# Allegro board C112P01-T2-ZDS-A03.brd (continued)
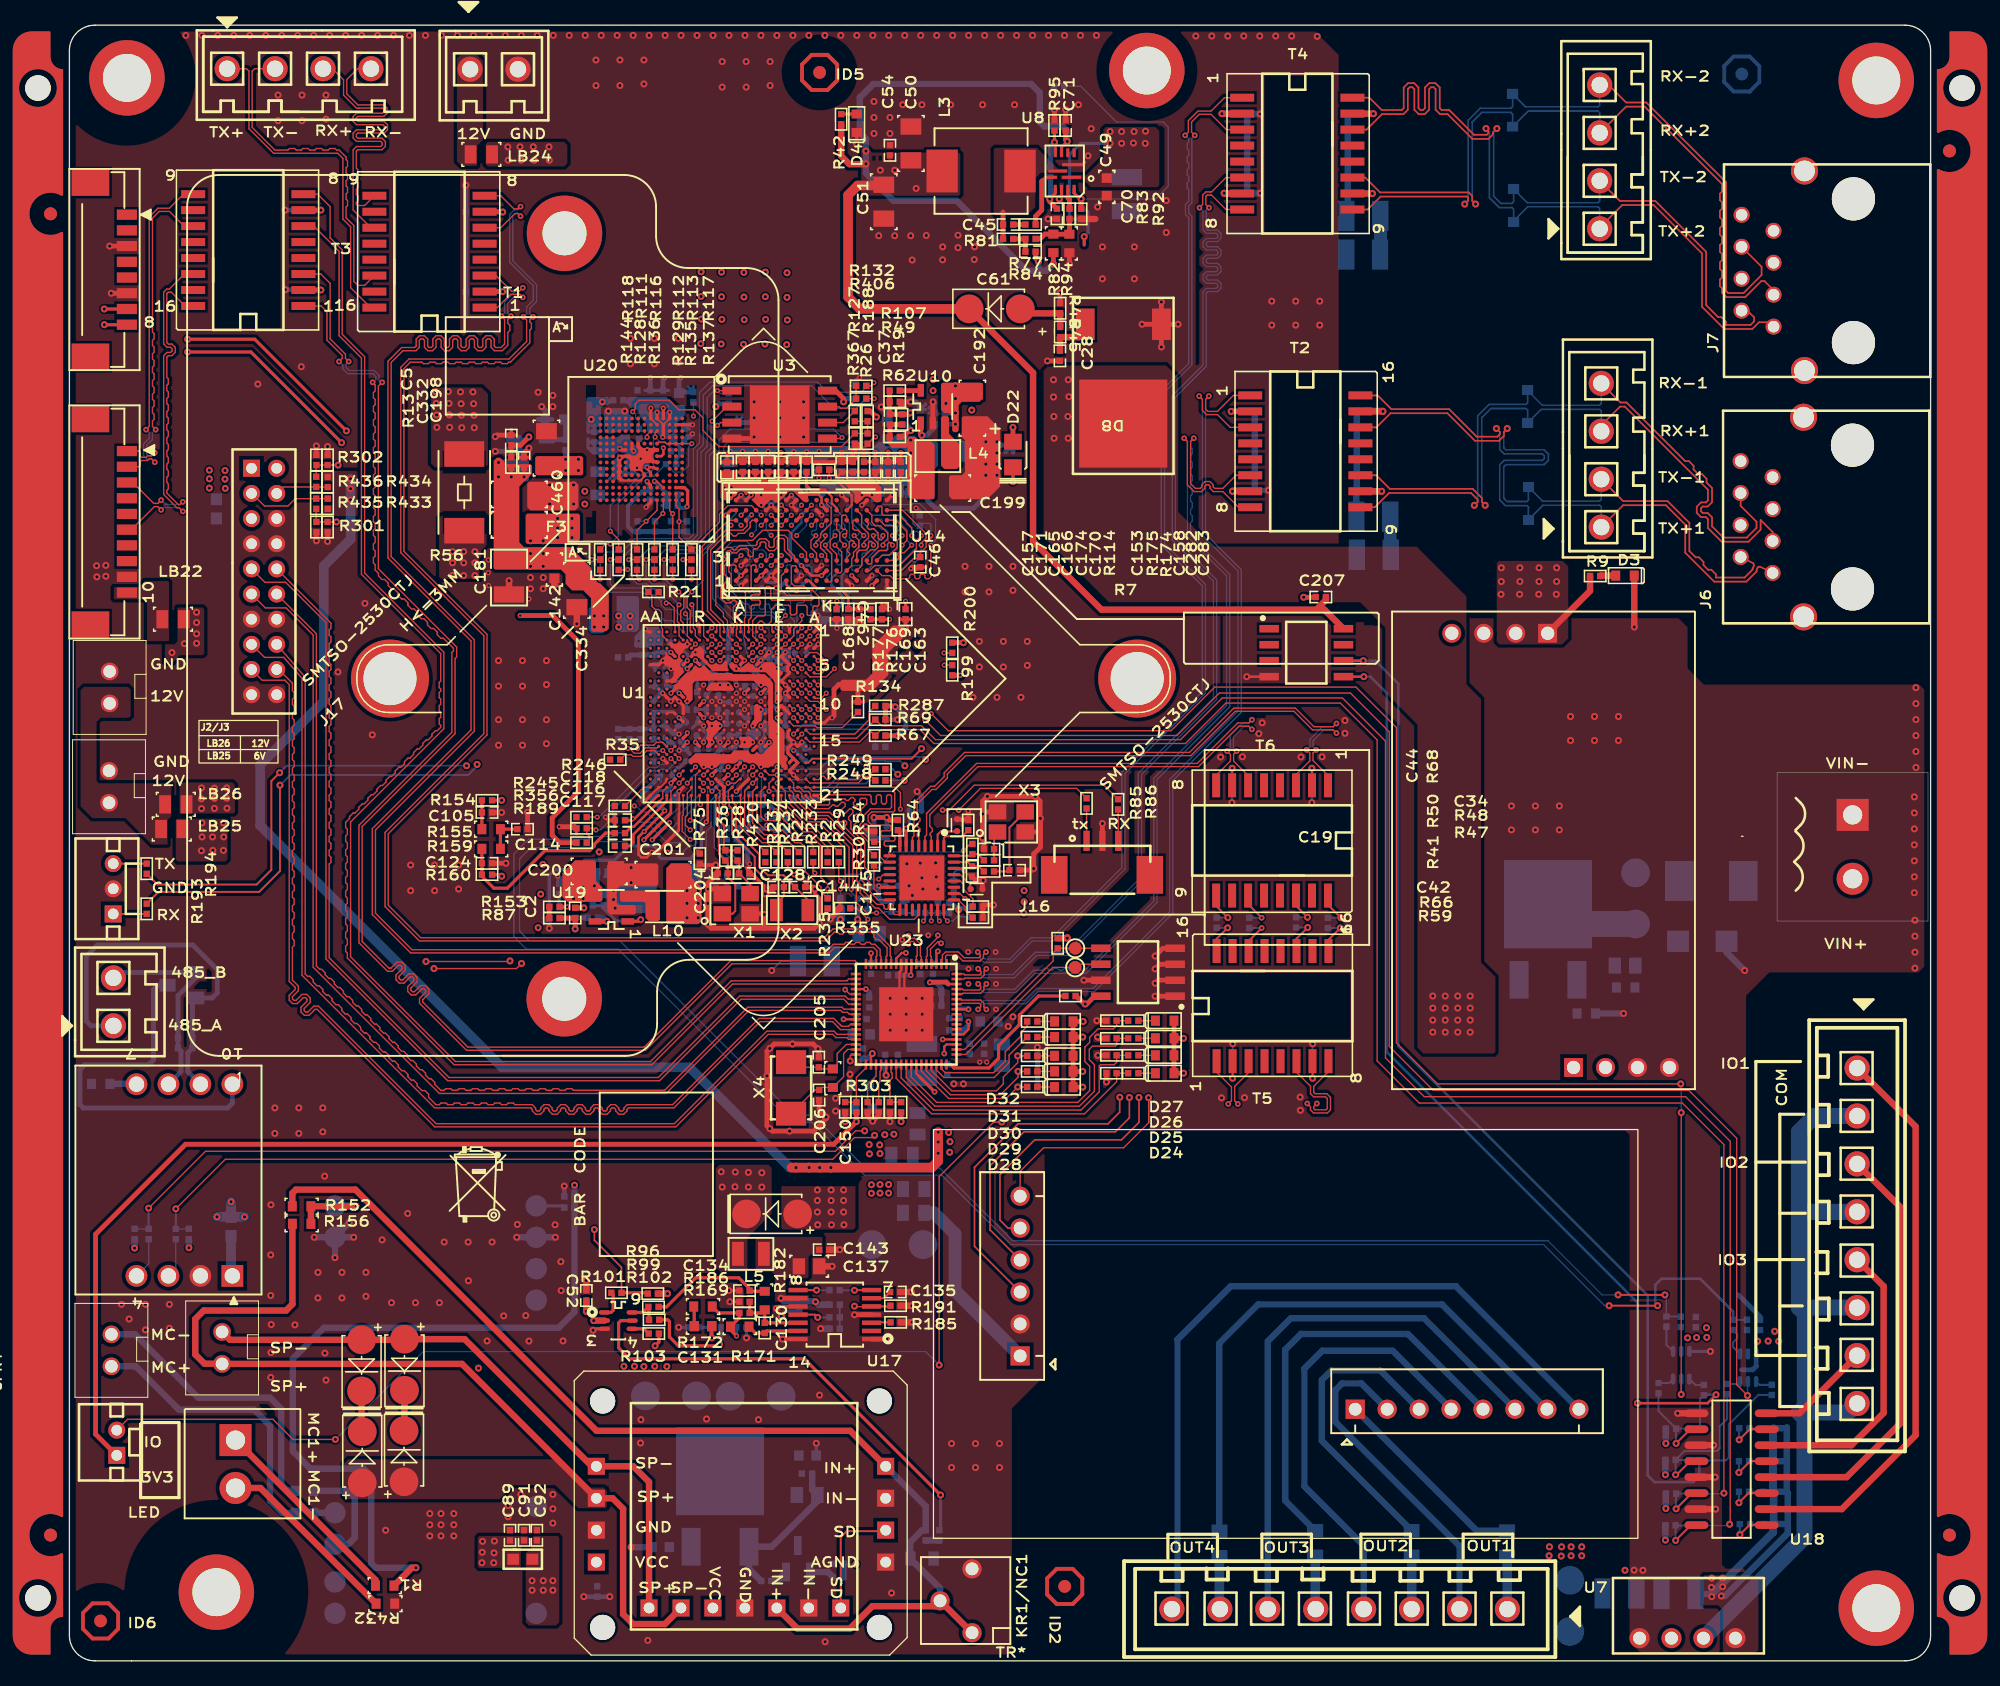
[diagram p0: board, top side]
## Routing (per net, layer and track width the routed paths; a pad name or vN(x,y) marks a point on that pad's centre or on a via; arc(x,y) is an arc through that point) (continued)
V5V: length 36.7
  BOTTOM w0.508: 136.59,10.85 136.55,10.88 R223.1 ; 136.59,10.85 136.59,10.14 131.61,5.16 v1(131.32,5.16) ; 136.59,10.85 136.59,13.38 136.52,13.45 ; R230.1 136.47,15.88 136.52,15.82 ; 130.53,5.31 C38.1 ; 136.52,15.82 136.52,13.45 ; 136.52,15.82 136.52,18.55 136.46,18.49 135.46,18.49 ; 136.52,13.45 R227.1
  BOTTOM w0.635: 130.53,5.31 135.43,10.21 135.43,10.83 R223.1 135.48,13.42 R227.1 135.42,13.49 R230.1 135.42,18.45 135.46,18.49
  vias: v1(130.53,5.84) v1(130.56,6.58) v1(130.56,5.11) v1(131.42,6.58) v1(131.42,5.89)
VCC_1: length 15
  BOTTOM w1.016: LB9.2 68.72,35.62 70.4,33.95 70.4,29.43 J34.1
VCC_IN:
  vias: v1(30.45,88.19) v1(30.45,87.3) v1(30.45,86.28) v1(31.34,88.19) v1(31.34,87.3) v1(31.34,86.28) v1(32.23,88.19) v1(32.23,87.3) v1(32.23,86.28) v1(36.65,89.05) v1(37.67,89.05) v1(38.81,90.83) v1(38.81,90.07) v1(38.81,89.31) v1(39.95,90.83) v1(39.95,90.07) v1(39.95,89.31)
VDD_AUDIO: length 5.4
  TOP w0.381: U17.9 v1(56.57,28.83)
  BOTTOM w0.508: R187.2 59.54,28.32 v1(59.31,28.55) 59.26,28.6 C136.1 56.79,28.6 v1(56.57,28.83)
VDDIO_DDR_CK: length 2.1
  TOP w0.254: U1.G8 55.29,77.26 v3(54.97,76.93)
  BOTTOM w0.254: v3(54.97,76.93) 54.99,76.95 55.51,76.95 C106.1 55.54,77.28 LB20.2
16D_AL_OUT: length 2.5
  TOP w0.254: R102.2 46.08,28.09 R96.2 45.58,27.7 U16.6
8903_OUT_L: length 9.9
  TOP w0.254: R182.2 54.13,29.38 C134.1 54.08,29.59 53.21,30.45 49.78,30.45 47.47,28.14 R96.1
AC_INL/MIC_IN: length 15
  TOP w0.254: R159.1 C124.1 R160.1 32.79,62.38 33.74,61.43 34.81,61.43 37.8,64.41 41.36,64.41 41.73,64.79 41.73,64.92 42.62,65.81 C116.1
AC_MICBIAS: length 15.3
  TOP w0.203: U1.Y21 46.84,68.81 46.78,68.81 44.93,66.95 v3(44.78,66.95)
  TOP w0.254: v3(44.78,66.95) 44.65,66.83 C118.2 ; R154.2 v1(34.37,68.42)
  ART03 w0.254: v1(34.37,68.42) 42.17,68.42 43.64,66.95 v3(44.78,66.95)
AC_MICBIAS0_L: length 2.3
  TOP w0.254: R154.1 C105.1 R155.2
AC_OUTL: length 73.8
  TOP w0.102: U1.V20 47.82,69.13 47.82,68.49
  TOP w0.203: 47.7,67.31 47.82,67.42 47.82,68.49
  TOP w0.254: R102.1 47.56,27.11 47.7,26.97 47.7,25.76 48.41,25.04 51.59,25.04 v1(51.69,25.15) ; 47.7,67.31 v3(45.67,65.28)
  ART03 w0.254: v3(45.67,65.28) 45.64,65.3 44.55,65.3 42.84,63.59 38.96,63.59 32.92,57.54 32.92,46.08 40.82,38.18 40.82,31.42 41.99,30.25 49.73,30.25 51.79,28.19 51.79,25.25 v1(51.69,25.15)
  BOTTOM w0.254: R173.1 51.79,25.25 v1(51.69,25.15)
AC_VREF: length 2.6
  TOP w0.254: U1.V19 48.14,70.11 v3(47.82,69.78)
  BOTTOM w0.254: C140.2 46.83,69.2 C43.1 47.82,69.5 v3(47.82,69.78)
AFT: length 4
  TOP w0.102: U23.40 65.32,46.8 65.4,46.72 65.4,46.33 65.23,46.15 R288.1 R294.1
AU_C: length 2.2
  TOP w0.254: U16.1 43.05,27.7 43.23,27.88 43.23,29.11 R101.1
AU_COM: length 36.4
  TOP w0.254: v1(69.25,13.18) 58.42,24.02 44.53,24.02 43.66,24.88 43.66,26.87 43.84,27.05 U16.5
  BOTTOM w0.254: v1(69.25,13.18) 69.25,10.48 R157.2
BF_STM_DIS: length 11.1
  TOP w0.102: R277.1 v1(75.41,46.86) 75.41,46.4 74.02,45.01 70.02,45.01 68.12,46.91 U23.47
  BOTTOM w0.102: R277.1 v1(75.41,46.86)
CKXTAL1: length 2.7
  TOP w0.152: U6.31 71.42,63.51 R41.2 72.29,63.17 R47.2
CKXTAL2: length 2.6
  TOP w0.152: R48.2 72.21,64.13 R50.2 71.65,64.01 U6.32
COS_DIS: length 11.3
  TOP w0.102: R278.1 v1(75.38,48.1) 75.38,47.56 74.24,46.42 74.24,45.87 73.69,45.32 70.15,45.32 68.52,46.95 U23.48
  BOTTOM w0.102: R278.1 v1(75.38,48.1)
DDR3_A0: length 20.3
  TOP w0.102: U1.A7 v3(59.52,77.58) ; U14.N3 62.59,88.07 62.82,88.3 63.29,88.3 63.52,88.53 63.52,88.9 63.62,89 63.76,89 63.91,88.86 v3(63.91,88.7)
  ART03 w0.102: v3(63.91,88.7) 63.91,88.27 63.42,87.79 63.42,83.71 63.8,83.33 63.8,80.95 62.81,79.96 62.81,79.63 62.81,78.61 61.85,77.65 59.58,77.65 v3(59.52,77.58)
  BOTTOM w0.102: v3(63.91,88.7) 63.53,89.09 63.53,89.63 62.59,90.57 U15.N3
DDR3_A1: length 22.1
  TOP w0.102: v3(64.67,89.47) 64.67,89.25 64.56,89.13 64.41,89.13 64.29,89.26 64.29,89.67 63.94,90.02 63.79,90.02 63.72,89.95 63.58,89.95 63.43,90.09 63.43,90.23 63.5,90.31 63.5,90.45 63.39,90.56 U14.P7 ; v3(59.52,76.93) U1.A8
  ART03 w0.102: v3(59.52,76.93) 59.95,77.37 62.14,77.37 63.22,78.45 63.22,79.79 64.21,80.78 64.21,83.51 63.83,83.89 63.83,84.99 64.21,85.37 64.21,88.07 64.3,88.16 64.3,89.1 v3(64.67,89.47)
  BOTTOM w0.102: v3(64.67,89.47) 64.29,89.09 64.29,88.53 63.39,87.63 U15.P7
DDR3_A2: length 35.7
  TOP w0.102: v3(65.43,88.7) 65.43,88.8 65.33,88.91 65.15,88.91 65.05,88.8 65.05,88.37 64.95,88.27 64.34,88.27 63.79,87.73 63.79,87.32 63.68,87.2 63.49,87.2 63.39,87.31 U14.P3 ; U1.B8 58.54,77.26 v3(58.87,76.93)
  ART03 w0.102: v3(65.43,88.7) 65.43,88.98 65.33,89.09 65.15,89.09 65.05,88.98 65.05,88.32 65.15,88.22 65.71,88.22 65.81,88.11 65.81,87.91 65.71,87.81 65.15,87.81 65.05,87.71 65.05,87.51 65.15,87.4 65.71,87.4 65.81,87.3 65.81,87.1 65.71,87 65.15,87 65.05,86.9 65.05,86.69 65.15,86.59 65.71,86.59 65.81,86.49 65.81,86.29 65.71,86.18 65.15,86.18 65.05,86.08 65.05,85.76 65.15,85.65 65.71,85.65 65.81,85.55 65.81,84.99 65.71,84.89 64.87,84.89 64.77,84.79 64.77,84.29 64.94,84.13 65.42,84.13 65.58,83.96 65.58,82.07 65.46,81.94 65.13,81.94 65.02,81.84 65.02,81.61 65.13,81.51 65.48,81.51 65.58,81.41 65.58,81.2 65.48,81.1 65.13,81.1 65.02,81 65.02,80.7 65.41,80.31 65.41,80.17 65.27,80.02 65.12,80.02 64.93,80.21 64.79,80.21 64.63,80.05 64.63,79.91 65.16,79.38 65.16,79.23 65.01,79.09 64.87,79.09 64.34,79.62 64.2,79.62 64.03,79.46 64.03,79.07 64.13,78.97 64.31,78.97 64.41,78.87 64.41,78.66 64.31,78.56 64.13,78.56 64.03,78.46 64.03,78.11 62.58,76.66 62.04,76.66 61.93,76.55 59.25,76.55 v3(58.87,76.93)
  BOTTOM w0.102: v3(65.43,88.7) 65.05,89.09 65.05,89.79 64.87,89.97 64.57,89.97 64.24,90.3 63.78,90.3 U15.P3
DDR3_A3: length 23.1
  TOP w0.102: U14.N2 62.84,86.94 62.99,87.08 62.99,87.62 63.71,88.34 64.06,88.34 64.28,88.55 64.28,88.87 63.91,89.23 v3(63.91,89.47) ; U1.B7 v3(58.87,77.58)
  ART03 w0.102: v3(63.91,89.47) 63.51,89.07 63.51,88.55 62.99,88.03 62.99,83.51 63.4,83.1 63.4,81.12 62.41,80.13 62.41,78.78 61.59,77.96 59.25,77.96 v3(58.87,77.58)
  BOTTOM w0.102: v3(63.91,89.47) 64.11,89.47 64.21,89.57 64.21,89.74 63.98,89.97 63.6,89.97 62.99,90.58 62.99,91.09 U15.N2
DDR3_A4: length 23.4
  TOP w0.102: v3(64.67,88.7) 64.67,88.83 65.05,89.21 65.05,89.66 64.47,90.24 64.07,90.24 63.79,90.52 63.79,91.09 63.64,91.23 63.64,91.23 U14.P8 ; v3(60.17,76.93) 59.77,76.53 59.27,76.53 U1.A9
  ART03 w0.102: v3(60.17,76.93) 62.28,76.93 63.63,78.28 63.63,79.62 64.62,80.62 64.62,83.82 64.36,84.08 64.36,84.92 64.62,85.17 64.62,88.65 v3(64.67,88.7)
  BOTTOM w0.102: v3(64.67,88.7) 64.92,88.7 65.02,88.6 65.02,88.42 64.92,88.32 64.51,88.32 63.79,87.6 63.79,87.08 63.63,86.92 63.63,86.92 U15.P8
DDR3_A5: length 40.1
  TOP w0.102: v3(67.72,89.47) 67.33,89.08 67.33,88.42 66,87.09 64.01,87.09 63.61,86.69 U14.P2 ; U1.B10 58.54,75.96 v3(58.87,75.63)
  ART03 w0.102: v3(58.87,75.63) 59.25,76.01 60.33,76.01 60.5,75.84 60.94,75.84 61.04,75.74 61.04,75.64 61.14,75.54 61.34,75.54 61.45,75.64 61.45,75.74 61.55,75.84 61.75,75.84 61.85,75.74 61.85,75.64 61.95,75.54 62.16,75.54 62.26,75.64 62.26,75.74 62.36,75.84 62.56,75.84 62.66,75.74 62.66,75.64 62.77,75.54 62.97,75.54 63.07,75.64 63.07,75.98 63.23,76.15 63.38,76.15 63.55,75.98 63.69,75.98 63.84,76.12 63.84,76.26 63.66,76.43 63.66,76.58 63.81,76.72 63.95,76.72 64.12,76.55 64.27,76.55 64.41,76.69 64.41,76.84 64.24,77.01 64.24,77.15 64.38,77.3 64.53,77.3 64.7,77.13 64.84,77.13 64.99,77.27 64.99,77.41 64.81,77.58 64.81,77.73 64.96,77.87 65.1,77.87 65.27,77.7 65.42,77.7 65.56,77.84 65.56,77.99 65.39,78.16 65.39,78.3 65.53,78.45 65.68,78.45 65.85,78.28 65.99,78.28 66.14,78.42 66.14,78.56 65.96,78.73 65.96,78.88 66.13,79.04 66.22,79.04 66.22,79.04 66.34,79.04 66.5,78.89 66.61,78.89 66.93,79.21 66.93,79.37 66.77,79.53 66.77,79.8 67.29,80.32 67.61,80.32 67.72,80.42 67.72,80.62 67.61,80.72 67.36,80.72 67.26,80.82 67.26,81.03 67.36,81.13 67.61,81.13 67.72,81.23 67.72,81.43 67.61,81.53 67.36,81.53 67.26,81.64 67.26,81.84 67.36,81.94 67.61,81.94 67.72,82.04 67.72,82.25 67.61,82.35 67.36,82.35 67.26,82.45 67.26,82.65 67.36,82.75 67.61,82.75 67.72,82.86 67.72,83.06 67.61,83.16 67.36,83.16 67.26,83.26 67.26,83.46 67.36,83.57 67.61,83.57 67.72,83.67 67.72,83.87 67.61,83.97 67.36,83.97 67.26,84.07 67.26,88.45 67.35,88.54 67.35,89.1 v3(67.72,89.47)
  BOTTOM w0.102: v3(67.72,89.47) 67.39,89.79 67.16,89.79 66.55,90.4 66.55,90.63 66.09,91.09 63.79,91.09 U15.P2
DDR3_A6: length 39.1
  TOP w0.102: v3(59.52,74.98) 59.19,75.31 U1.A11 ; v3(66.96,89.47) 66.96,90.1 65.97,91.08 64.69,91.08 64.59,91.18 64.59,91.73 64.52,91.8 64.29,91.8 64.19,91.7 U14.R8
  GND04 w0.102: v3(59.52,74.98) 60.09,74.98 60.47,75.36 60.79,75.36 60.92,75.23 62.91,75.23 67.97,80.3 67.97,80.52 67.87,80.63 67.3,80.63 67.2,80.73 67.2,80.93 67.3,81.03 67.87,81.03 67.97,81.13 67.97,81.38 67.87,81.48 67.69,81.48 67.59,81.58 67.59,81.79 67.69,81.89 67.87,81.89 67.97,81.99 67.97,82.19 67.87,82.29 67.69,82.29 67.59,82.4 67.59,82.6 67.69,82.7 67.87,82.7 67.97,82.8 67.97,83.01 67.87,83.11 67.69,83.11 67.59,83.21 67.59,83.41 67.69,83.51 67.87,83.51 67.97,83.62 67.97,83.82 67.87,83.92 67.69,83.92 67.59,84.02 67.59,84.23 67.69,84.33 67.87,84.33 67.97,84.43 67.97,84.63 67.87,84.73 67.69,84.73 67.59,84.83 67.59,85.04 67.69,85.14 67.87,85.14 67.97,85.24 67.97,85.44 67.87,85.55 67.72,85.55 67.61,85.65 67.61,86.77 67.13,87.25 66.67,87.25 66.57,87.36 66.57,89.64 66.4,89.82 66.4,90.35 66.57,90.53 67.72,90.53 67.82,90.43 67.82,90.07 67.72,89.97 67.06,89.97 66.96,89.87 v3(66.96,89.47)
  BOTTOM w0.102: U15.R8 64.59,87.09 65.91,87.09 67.34,88.51 67.34,89.09 v3(66.96,89.47)
DDR3_A7: length 45
  TOP w0.102: v3(58.87,74.98) 58.54,75.31 U1.B11 ; U14.R2 64.59,86.29 65.23,86.29 65.48,86.04 66.69,86.04 66.79,86.14 66.79,86.29 66.9,86.39 67.1,86.39 67.2,86.29 67.2,86.14 67.3,86.04 67.5,86.04 67.61,86.14 67.61,86.29 67.71,86.39 67.91,86.39 68.01,86.29 68.01,86.14 68.11,86.04 68.33,86.04 68.48,86.19 v3(68.48,88.7)
  ART03 w0.102: v3(68.48,88.7) 68.91,88.27 68.91,84.33 68.53,83.95 68.53,80.04 67.7,79.21 67.7,78.57 64.72,75.59 64.72,74.12 64.49,73.89 63.37,73.89 63.3,73.96 63.3,74.63 63.25,74.68 62.96,74.68 62.89,74.6 62.89,73.94 62.84,73.89 62.59,73.89 62.48,73.99 62.48,74.62 62.41,74.7 62.1,74.7 62.03,74.62 62.03,73.99 61.92,73.89 61.72,73.89 61.62,73.99 61.62,74.52 61.47,74.68 61.04,74.68 60.81,74.45 60.81,74.17 60.71,74.07 60.4,74.07 60.3,74.17 60.3,74.5 60.2,74.6 59.99,74.6 59.89,74.5 59.89,74.19 59.79,74.09 59.59,74.09 59.49,74.19 59.49,74.5 59.38,74.6 59.18,74.6 59.08,74.5 59.08,74.3 58.98,74.2 58.83,74.2 58.65,74.39 58.65,74.76 v3(58.87,74.98)
  BOTTOM w0.102: U15.R2 64.64,91.93 66.96,91.93 67.06,92.02 67.57,92.02 68.86,90.73 68.86,89.08 v3(68.48,88.7)
DDR3_A8: length 38.8
  TOP w0.102: U1.A10 v3(59.52,75.63) ; U14.T8 66.23,91.49 68.1,89.61 68.1,89.26 67.72,88.88 v3(67.72,88.7)
  ART03 w0.102: v3(59.52,75.63) 59.99,75.16 60.27,75.16 60.47,75.36 60.79,75.36 61.03,75.12 63.6,75.12 63.7,75.02 63.7,74.4 63.8,74.29 64.16,74.29 64.26,74.4 64.26,75.68 64.41,75.84 64.41,75.98 64.41,75.98 64.41,76.12 64.56,76.27 64.85,76.27 64.99,76.41 64.99,76.55 64.99,76.7 65.13,76.84 65.42,76.84 65.56,76.99 65.56,77.13 65.56,77.27 65.71,77.42 66,77.42 66.14,77.56 66.14,77.7 66.14,77.85 66.28,77.99 66.57,77.99 66.71,78.14 66.71,78.28 66.71,78.42 66.86,78.57 67.15,78.57 67.33,78.76 67.33,79.46 68.12,80.25 68.12,84.13 68.5,84.51 68.5,84.72 68.4,84.82 67.77,84.82 67.67,84.92 67.67,85.12 67.77,85.22 68.4,85.22 68.5,85.33 68.5,85.53 68.4,85.63 67.77,85.63 67.67,85.73 67.67,85.93 67.77,86.04 68.4,86.04 68.5,86.14 68.5,86.34 68.4,86.44 67.77,86.44 67.67,86.54 67.67,86.75 67.77,86.85 68.4,86.85 68.5,86.95 68.5,87.15 68.4,87.26 67.77,87.26 67.67,87.36 67.67,87.56 67.77,87.66 68.4,87.66 68.5,87.76 68.5,88.04 68.3,88.25 67.82,88.25 67.72,88.35 v3(67.72,88.7)
  BOTTOM w0.102: U15.T8 66.08,86.69 66.86,87.47 67,87.47 67.12,87.36 67.26,87.36 67.4,87.5 67.4,87.64 67.29,87.75 67.29,87.9 67.72,88.32 v3(67.72,88.7)
DDR3_A9: length 36.9
  TOP w0.102: v3(60.17,75.63) 59.52,76.28 58.87,76.28 U1.B9 ; U14.R3 64.61,87.9 65.16,87.9 65.81,88.55 65.81,89.08 v3(66.19,89.47)
  GND04 w0.102: v3(60.17,75.63) 61.86,75.63 62.24,76.01 62.38,76.01 62.61,75.79 62.75,75.79 62.9,75.93 62.9,76.07 62.67,76.3 62.67,76.44 62.81,76.59 62.96,76.59 63.19,76.36 63.33,76.36 63.47,76.5 63.47,76.65 63.25,76.88 63.25,77.02 63.39,77.16 63.53,77.16 63.76,76.94 63.9,76.94 64.05,77.08 64.05,77.22 63.82,77.45 63.82,77.59 63.96,77.74 64.11,77.74 64.34,77.51 64.48,77.51 64.62,77.65 64.62,77.8 64.4,78.03 64.4,78.17 64.54,78.31 64.68,78.31 64.91,78.09 65.05,78.09 65.2,78.23 65.2,78.37 64.97,78.6 64.97,78.74 65.13,78.91 65.28,78.91 65.57,78.61 65.71,78.61 65.86,78.76 65.86,78.9 65.56,79.19 65.56,79.34 65.71,79.48 65.85,79.48 66.14,79.19 66.29,79.19 66.43,79.33 66.43,79.48 66.14,79.77 66.14,79.91 66.28,80.06 66.43,80.06 66.72,79.76 66.86,79.76 67.01,79.91 67.01,80.05 66.65,80.41 66.65,81.2 67.18,81.74 67.18,84.61 67.08,84.71 66.65,84.71 66.55,84.82 66.55,85.02 66.65,85.12 67.08,85.12 67.18,85.22 67.18,85.43 67.08,85.53 66.65,85.53 66.55,85.63 66.55,85.86 66.65,85.96 67.08,85.96 67.18,86.06 67.18,86.26 66.98,86.47 66.22,86.47 66.12,86.57 66.12,87.91 66.06,87.97 65.75,87.97 65.65,88.07 65.65,88.31 65.83,88.49 65.83,89.1 v3(66.19,89.47)
  BOTTOM w0.102: v3(66.19,89.47) 65.96,89.47 65.82,89.61 65.82,89.76 66.03,89.97 66.03,90.11 65.88,90.26 65.74,90.26 65.64,90.16 65.5,90.16 65.33,90.33 64.77,90.33 64.62,90.48 64.62,90.67 64.52,90.77 64.28,90.77 U15.R3
DDR3_A10: length 21.6
  TOP w0.102: v3(61.62,88.7) 61.24,89.09 61.24,89.72 60.99,89.96 U14.L7 ; v3(57.57,78.88) 57.89,78.56 57.89,78.56 U1.C6
  GND04 w0.102: v3(57.57,78.88) 58.28,78.17 59.76,78.17 60.1,77.83 61.16,77.83 62.23,78.89 62.23,80.15 63.12,81.04 63.12,82.75 62.76,83.11 62.76,86.26 62.25,86.77 62.25,88.27 61.82,88.7 v3(61.62,88.7)
  BOTTOM w0.102: v3(61.62,88.7) 61.14,88.22 61.14,88.04 61.39,87.79 61.39,87.26 61.29,87.15 61.09,87.15 60.99,87.26 60.99,87.49 U15.L7
DDR3_A11: length 34.7
  TOP w0.102: U14.R7 64.41,90.69 64.85,90.25 65.63,90.25 65.8,90.08 65.8,89.84 v3(65.43,89.47) ; v3(57.57,75.63) 57.24,75.96 U1.D10
  GND04 w0.102: v3(65.43,89.47) 65.05,89.08 65.05,88.14 65.71,87.48 65.71,86.16 65.91,85.96 66.04,85.96 66.14,85.86 66.14,85.65 66.04,85.55 65.91,85.55 65.81,85.45 65.81,85.25 65.91,85.15 66.04,85.15 66.14,85.04 66.14,84.84 66.04,84.74 65.91,84.74 65.81,84.64 65.81,84.41 65.71,84.31 65.49,84.31 65.39,84.21 65.39,83.97 65.59,83.77 66.62,83.77 66.73,83.67 66.73,83.47 66.62,83.37 65.79,83.37 65.68,83.27 65.68,83.06 65.79,82.96 66.67,82.96 66.75,82.89 66.75,82.66 66.65,82.56 65.79,82.56 65.68,82.45 65.68,81.18 65.79,81.08 66.12,81.08 66.22,80.98 66.22,80.77 66.12,80.67 65.79,80.67 65.68,80.57 65.68,80.11 65.58,80.01 65.4,80.01 65.15,80.26 64.95,80.26 64.79,80.11 64.79,79.98 65.14,79.64 65.14,79.49 64.98,79.33 64.84,79.33 64.35,79.81 64.21,79.81 64.07,79.67 64.07,79.53 64.55,79.04 64.55,78.9 61.7,76.05 57.98,76.05 v3(57.57,75.63)
  BOTTOM w0.102: v3(65.43,89.47) 65.43,89.26 65.8,88.89 65.8,88.39 65.38,87.97 64.67,87.97 U15.R7
DDR3_A12: length 33.5
  TOP w0.102: U1.C9 v3(57.57,76.93) ; U14.N7 62.36,90.69 62.28,90.61 62.28,90.02 62.41,89.9 62.72,89.9 v3(63.15,89.47)
  GND04 w0.102: v3(57.57,76.93) 58.18,76.32 61.4,76.32 63.51,78.44 63.51,79.71 64.48,80.67 65.18,80.67 65.28,80.77 65.28,80.97 65.18,81.08 64.44,81.08 64.34,81.18 64.34,81.38 64.44,81.48 65.18,81.48 65.28,81.58 65.28,81.79 65.18,81.89 64.44,81.89 64.34,81.99 64.34,82.27 64.44,82.37 64.72,82.37 64.82,82.47 64.82,82.68 64.72,82.78 64.44,82.78 64.34,82.88 64.34,83.08 64.44,83.18 64.72,83.18 64.82,83.29 64.82,83.49 64.72,83.59 64.44,83.59 64.34,83.69 64.34,84.69 64.44,84.79 65.18,84.79 65.36,84.98 65.36,85.66 65.26,85.76 64.87,85.76 64.77,85.87 64.77,86.07 64.87,86.17 65.18,86.17 65.28,86.27 65.28,86.47 65.18,86.58 64.84,86.58 64.74,86.68 64.74,86.89 64.85,87 65.07,87 65.2,87.13 65.2,87.38 64.99,87.6 64.83,87.6 64.34,87.1 64.08,87.1 63.92,87.27 63.92,87.42 64.38,87.88 64.38,88.12 64.28,88.22 64.04,88.22 63.8,87.99 63.62,87.99 63.51,88.09 63.51,89.1 v3(63.15,89.47)
  BOTTOM w0.102: U15.N7 62.59,88.19 62.77,88.37 62.77,89.09 v3(63.15,89.47)
DDR3_A13: length 35.4
  TOP w0.102: v3(58.22,74.98) 57.89,75.31 57.89,75.31 U1.C11 ; v3(66.96,88.7) 66.35,88.1 66.21,88.1 66.13,88.17 65.99,88.17 65.85,88.03 65.85,87.88 65.92,87.81 65.92,87.67 65.74,87.49 U14.T3
  GND04 w0.102: v3(66.96,88.7) 66.96,88.98 67.06,89.08 68.01,89.08 68.11,88.98 68.11,88.42 68.01,88.32 67.18,88.32 67.05,88.19 67.05,88.02 67.15,87.91 68.27,87.91 68.38,87.81 68.38,87.61 68.27,87.51 67.89,87.51 67.84,87.46 67.84,87.2 67.94,87.1 68.27,87.1 68.38,87 68.38,79.98 64.79,76.39 64.79,75.83 64.71,75.74 64.49,75.74 64.36,75.87 64.22,75.87 64.03,75.69 64.03,75.54 64.25,75.33 64.25,75.18 64.08,75.02 63.93,75.02 63.67,75.28 63.53,75.28 63.38,75.13 63.38,74.99 63.65,74.73 63.65,74.58 63.48,74.42 62.99,74.42 62.84,74.57 62.84,74.7 62.74,74.8 62.54,74.8 62.44,74.7 62.44,74.57 62.33,74.47 62.13,74.47 62.03,74.57 62.03,74.7 61.93,74.8 61.04,74.8 60.84,74.6 58.6,74.6 v3(58.22,74.98)
  BOTTOM w0.102: v3(66.96,88.7) 66.58,89.09 66.58,89.94 65.83,90.69 U15.T3
DDR3_A14: length 34.7
  TOP w0.102: U14.T7 65.68,90.69 66.58,89.79 66.58,89.09 v3(66.19,88.7) ; v3(58.22,75.63) 57.89,75.96 U1.C10
  ART03 w0.102: v3(66.19,88.7) 66.42,88.7 66.78,88.35 66.78,88.12 66.7,88.04 66.32,88.04 66.22,87.94 66.22,87.74 66.32,87.64 66.75,87.64 66.85,87.53 66.85,87.33 66.75,87.23 66.32,87.23 66.22,87.13 66.22,86.77 66.32,86.67 66.53,86.67 66.75,86.45 66.75,86.34 66.67,86.26 66.32,86.26 66.22,86.16 66.22,85.96 66.32,85.86 66.75,85.86 66.85,85.76 66.85,85.55 66.75,85.45 66.32,85.45 66.22,85.35 66.22,85.15 66.32,85.04 66.75,85.04 66.85,84.94 66.85,84.74 66.75,84.64 66.09,84.64 65.99,84.54 65.99,83.96 66.09,83.86 66.67,83.86 66.82,83.71 66.82,83.35 66.72,83.25 66.1,83.25 66,83.15 66,82.94 66.1,82.84 66.67,82.84 66.77,82.74 66.77,82.56 66.67,82.46 66.09,82.46 65.99,82.36 65.99,81.31 66.09,81.2 66.65,81.2 66.78,81.08 66.78,80.64 66.67,80.54 65.92,80.54 65.82,80.44 65.82,80.16 65.92,80.06 66.27,80.06 66.37,79.96 66.37,79.77 66.05,79.45 65.71,79.45 65.61,79.35 65.61,79.1 62.76,76.25 58.84,76.25 v3(58.22,75.63)
  BOTTOM w0.102: U15.T7 65.33,87.49 65.54,87.7 65.69,87.7 65.84,87.55 65.98,87.55 66.12,87.69 66.12,87.84 65.97,87.99 65.97,88.13 66.19,88.35 v3(66.19,88.7)
DDR3_A15: length 20.1
  TOP w0.102: U14.M7 61.79,90.69 61.79,90.99 61.7,91.09 61.49,91.09 61.39,90.99 61.39,90.06 61.49,89.96 61.69,89.96 61.79,89.86 61.79,89.64 v3(61.62,89.47) ; U1.B5 v3(58.87,78.88)
  ART03 w0.102: v3(61.62,89.47) 61.99,89.1 61.99,88.55 61.54,88.11 61.54,85.31 61.82,85.03 61.82,83.56 62.59,82.79 62.59,81.46 61.59,80.47 61.59,78.94 61.15,78.5 59.25,78.5 v3(58.87,78.88)
  BOTTOM w0.102: v3(61.62,89.47) 61.62,89.26 62,88.88 62,88.35 61.79,88.14 U15.M7
DDR3_BA0: length 25
  TOP w0.102: v3(62.38,89.47) 62.75,89.1 62.75,88.55 62.33,88.13 62.33,87.79 62.19,87.65 62.19,87.08 U14.M2 ; U1.D7 v3(57.57,77.58)
  GND04 w0.102: v3(62.38,89.47) 62.78,89.07 62.78,86.93 63.17,86.54 63.17,83.57 63.52,83.21 63.52,80.87 62.7,80.04 62.7,78.78 61.47,77.55 60.1,77.55 59.68,77.96 57.95,77.96 v3(57.57,77.58)
  BOTTOM w0.102: U15.M2 61.79,91.49 61.79,91.79 61.89,91.89 62.13,91.89 62.19,91.83 62.19,90.57 62.21,90.56 62.21,90.45 62.76,89.9 62.76,89.57 62.66,89.47 v3(62.38,89.47)
DDR3_BA1: length 24.3
  TOP w0.102: v3(63.15,88.7) 63.15,88.93 63.53,89.31 63.53,89.61 62.97,90.17 62.97,91.1 62.84,91.23 U14.N8 ; U1.C8 57.89,77.26 v3(58.22,76.93)
  GND04 w0.102: v3(63.15,88.7) 63.15,87.45 64.34,86.26 64.34,85.4 63.93,84.99 63.93,80.7 63.11,79.88 63.11,78.61 61.05,76.55 58.6,76.55 v3(58.22,76.93)
  BOTTOM w0.102: U15.N8 62.31,86.69 62.21,86.79 62.21,86.98 62.31,87.09 62.9,87.09 63.02,87.2 63.02,87.99 63.09,88.07 63.27,88.07 63.45,88.25 63.45,88.58 63.33,88.7 v3(63.15,88.7)
DDR3_BA2: length 19.9
  TOP w0.102: v3(58.22,77.58) 57.89,77.91 U1.C7 ; U14.M3 61.79,87.49 61.79,87.71 62.03,87.94 62.03,88.04 61.83,88.24 61.83,88.39 62,88.56 62,88.96 62.1,89.07 62.28,89.07 62.38,88.96 v3(62.38,88.7)
  ART03 w0.102: v3(62.38,88.7) 62.56,88.53 62.56,86.13 62.56,86.13 62.56,85.33 62.56,85.33 62.56,83.49 62.99,83.06 62.99,81.29 62,80.3 62,78.95 61.31,78.26 58.89,78.26 v3(58.22,77.58)
  BOTTOM w0.102: v3(62.38,88.7) 62.38,88.9 62,89.28 62,90.48 U15.M3
DDR3_CAS_N: length 18.5
  TOP w0.102: v3(60.1,89.47) 60.1,89.24 59.71,88.85 59.71,88.48 60.19,88.01 60.19,87.84 60.19,87.84 60.19,87.49 U14.K3 ; v3(60.82,78.88) 60.55,78.61 60.17,78.23 58.87,78.23 58.75,78.35 U1.B6
  ART03 w0.102: v3(60.1,89.47) 60.1,89.36 60.48,88.98 60.48,88.57 60.83,88.21 60.83,84.95 61.39,84.39 61.39,83.25 61.82,82.82 61.82,81.28 61.19,80.64 61.19,79.25 v3(60.82,78.88)
  BOTTOM w0.102: U15.K3 60.19,90.02 60.04,89.87 59.86,89.87 59.79,89.8 59.79,89.57 59.89,89.47 v3(60.1,89.47)
DDR3_CKE: length 19.7
  TOP w0.102: U14.K9 60.19,92.01 60.55,91.65 60.55,90.45 59.71,89.62 59.71,89.32 59.34,88.95 v3(59.34,88.7) ; v3(59.52,79.53) U1.A4
  GND04 w0.102: v3(59.52,79.53) 59.86,79.87 60.14,79.87 60.6,80.34 60.6,87.74 60.01,88.34 59.9,88.34 59.54,88.7 v3(59.34,88.7)
  BOTTOM w0.102: v3(59.34,88.7) 59.34,88.96 59.44,89.07 59.58,89.07 59.72,88.93 59.72,88.47 59.87,88.32 60.25,88.32 60.59,87.98 60.59,86.53 60.19,86.13 U15.K9
DDR3_CLK_N: length 21.8
  TOP w0.102: R7.1 v3(60.4,94.04) ; v3(58.22,79.53) U1.C4 ; U14.K7 v3(59.79,90.29)
  ART03 w0.102: v3(60.4,94.04) 60.22,93.86 60.22,92.61 60.58,92.26 60.58,90.76 60.1,90.29 v3(59.79,90.29) 59.55,90.29 58.83,89.57 58.83,88.65 59.59,87.89 v3(59.79,87.89) 59.38,87.48 59.38,84.26 60.3,83.34 60.3,80.55 59.84,80.09 58.21,80.09 58.04,79.92 58.04,79.71 v3(58.22,79.53)
  BOTTOM w0.102: U15.K7 v3(59.79,87.89) ; C231.1 58.61,79.92 v3(58.22,79.53)
DDR3_CLK_P: length 21.8
  TOP w0.102: U14.J7 v3(58.99,90.29) ; U1.D4 v3(57.57,79.53) ; R7.2 v3(59.59,94.04)
  ART03 w0.102: v3(59.59,94.04) 59.87,93.76 59.87,92.46 60.22,92.11 60.22,90.91 60,90.68 59.39,90.68 v3(58.99,90.29) 58.99,90.24 58.47,89.71 58.47,88.5 58.99,87.98 v3(58.99,87.89) 59.03,87.85 59.03,87.51 58.93,87.41 58.78,87.41 58.67,87.31 58.67,87.1 58.78,87 58.93,87 59.03,86.9 59.03,84.11 59.94,83.2 59.94,80.7 59.69,80.44 58.06,80.44 57.69,80.07 57.69,79.65 v3(57.57,79.53)
  BOTTOM w0.102: C231.2 57.67,79.63 v3(57.57,79.53) ; U15.J7 v3(58.99,87.89)
DDR3_CS_N: length 19.4
  TOP w0.102: U14.L2 60.99,86.69 60.99,86.61 61.09,86.51 61.28,86.51 61.39,86.62 61.39,88.17 v3(60.86,88.7) ; U1.A5 v3(59.52,78.88)
  GND04 w0.102: v3(59.52,78.88) 59.64,78.88 60.04,78.49 60.96,78.49 61.32,78.84 61.32,80.49 61.8,80.97 61.8,82.31 61.95,82.46 61.95,84.61 61.42,85.15 61.42,87.94 60.86,88.5 v3(60.86,88.7)
  BOTTOM w0.102: U15.L2 61.39,91.09 61.39,90.56 61.65,90.3 61.65,90.01 61.25,89.62 61.25,89.1 v3(60.86,88.7)
DDR3_DM0: length 17.4
  TOP w0.102: v3(51.07,80.18) 51.07,80.18 51.39,79.86 U1.N4 ; U14.E7 v3(55.79,91.09)
  ART03 w0.102: v3(51.07,80.18) 50.69,80.56 50.69,82.29 50.72,82.33 50.72,88.12 50.77,88.18 50.77,88.18 51.79,89.2 51.79,91.22 52.03,91.45 53.24,91.45 53.55,91.45 53.77,91.23 53.77,91.04 54.13,90.69 55.39,90.69 v3(55.79,91.09)
DDR3_DM1: length 13.6
  TOP w0.102: v3(51.72,79.53) 52.04,79.86 52.04,79.86 U1.M4 ; U14.D3 v3(55.79,87.89)
  ART03 w0.102: v3(55.79,87.89) 55.33,88.35 53.31,88.35 52.55,87.58 52.55,83.11 53.08,82.59 53.08,81.8 52.48,81.2 52.48,80.29 v3(51.72,79.53)
DDR3_DM2: length 9.4
  TOP w0.102: U1.G3 v3(54.97,80.18)
  ART03 w0.102: v3(54.97,80.18) 55.4,80.61 55.4,81.58 55.57,81.76 55.57,85.55 55.94,85.92 55.95,85.92 56.16,86.13 56.16,86.14 56.21,86.19 56.21,87.5 v3(56.59,87.89)
  BOTTOM w0.102: U15.E7 v3(56.59,87.89)
DDR3_DM3: length 11.6
  TOP w0.102: U1.F3 v3(56.27,80.83)
  ART03 w0.102: v3(55.79,89.49) 55.79,89.22 57.05,87.97 57.05,86.21 56.55,85.72 56.55,85.15 56.39,84.98 56.39,83.62 55.88,83.11 55.88,81.22 v3(56.27,80.83)
  BOTTOM w0.102: v3(55.79,89.49) 55.39,89.89 U15.D3
DDR3_DQ0: length 15.3
  TOP w0.102: U1.L4 52.69,79.86 v3(53.02,79.53) ; U14.E3 v3(55.79,87.09)
  ART03 w0.102: v3(53.02,79.53) 53.4,79.91 53.82,79.91 53.92,80.02 53.92,80.24 53.82,80.35 53.59,80.35 53.49,80.45 53.49,80.65 53.59,80.75 53.82,80.75 53.92,80.85 53.92,81.35 54.03,81.46 54.43,81.46 54.53,81.56 54.53,81.76 54.43,81.86 54.03,81.86 53.92,81.96 53.92,83.01 54.03,83.11 54.86,83.11 54.97,83.22 54.97,83.42 54.86,83.52 54.03,83.52 53.92,83.62 53.92,83.83 54.03,83.93 54.86,83.93 54.97,84.03 54.97,84.23 54.86,84.33 54.03,84.33 53.92,84.44 53.92,84.66 55.4,86.14 55.4,86.69 v3(55.79,87.09)
DDR3_DQ1: length 14.8
  TOP w0.102: v3(51.72,80.18) 52.04,80.51 U1.M3 ; U14.F7 v3(56.59,90.29)
  ART03 w0.102: v3(51.72,80.18) 52.15,80.61 52.15,81.27 52.04,81.37 51.84,81.37 51.74,81.48 51.74,81.68 51.84,81.78 51.97,81.78 52.07,81.88 52.07,87.69 53.26,88.88 54.25,88.88 55.24,89.87 56.18,89.87 v3(56.59,90.29)
DDR3_DQ2: length 14.5
  TOP w0.102: U14.F2 56.74,86.43 56.74,86.43 56.59,86.29 56.59,85.14 57.02,84.71 58.98,84.71 59.11,84.59 59.11,84.44 59,84.33 55.85,84.33 55.75,84.44 55.75,85.33 55.65,85.43 55.42,85.43 55.32,85.33 55.32,83.18 55.22,83.08 54.71,83.08 54.32,82.69 54.32,81.48 54.64,81.16 U1.H2